# Allegro board PCIe3_0_X16_V1_0-166-20240802_20240828_pcb.brd (continued)
## Routing (per net, layer and track width the routed paths; a pad name or vN(x,y) marks a point on that pad's centre or on a via; arc(x,y) is an arc through that point) (continued)
  ART12 w0.086: v1(69.15,86.87) 67.73,85.45 67.73,85.33 67.92,85.14 67.92,85.01 67.8,84.89 67.68,84.89 67.48,85.09 67.36,85.09 66.97,84.7 66.91,84.55 66.91,76.54 v1(69.15,74.3) 67.73,72.88 67.73,72.76 67.92,72.56 67.92,72.44 67.8,72.32 67.68,72.32 67.48,72.52 67.36,72.52 66.97,72.12 66.91,71.97 66.91,63.97 v1(69.15,61.73) 67.73,60.31 67.73,60.19 67.92,59.99 67.92,59.87 67.8,59.75 67.68,59.75 67.48,59.94 67.36,59.94 66.97,59.55 66.91,59.4 66.91,51.4 v1(69.15,49.16) 67.73,47.74 67.73,47.61 67.83,47.51 67.83,47.38 67.71,47.26 67.59,47.26 67.48,47.37 67.36,47.37 67.01,47.02 66.47,45.72 66.47,39.25 v1(69.15,36.58)
FPGA_DDR4_1_A10: length 120.8
  TOP w0.201: U7.M3 70.84,38.28 68.06,38.28 67.55,37.77 R89.1
  TOP w0.229: U6.M3 v1(72.35,53.16) ; U5.M3 v1(72.35,90.87) ; U8.M3 v1(72.35,65.73) ; U1.L27 v1(99.32,71.23) ; U7.M3 v1(72.35,40.58) ; U4.M3 v1(72.35,78.3)
  ART03 w0.155: v1(99.32,71.23) 99.81,71.72 99.81,74.47 99.55,74.73 99.17,74.73 98.79,75.11 98.79,77.39 98.46,77.73 98.2,77.73 97.78,78.16 97.78,81.52 97.93,81.67 98.15,81.67 98.31,81.83 98.31,82.14 98.15,82.29 97.93,82.29 97.78,82.45 97.78,82.65 91.6,88.82 90.59,88.82 90.43,88.98 90.43,89.15 90.28,89.31 89.97,89.31 89.81,89.15 89.81,88.98 89.66,88.82 89.3,88.82 89.14,88.98 89.14,90.22 88.99,90.37 88.68,90.37 88.52,90.22 88.52,88.98 88.37,88.82 88.06,88.82 87.9,88.98 87.9,90.22 87.75,90.37 87.44,90.37 87.28,90.22 87.28,88.98 87.13,88.82 86.82,88.82 86.66,88.98 86.66,90.22 86.51,90.37 86.2,90.37 85.92,90.09 85.48,90.09 85.32,90.25 85.32,90.29 85.17,90.45 84.86,90.45 84.7,90.29 84.7,90.25 84.55,90.09 83.2,90.09 82.87,90.42 72.8,90.42 v1(72.35,90.87)
  ART10 w0.086: v1(72.35,90.87) 72.35,89.49 69.57,86.72 69.57,82.96 71.33,81.2 71.33,81.08 71.28,81.04 71.28,80.92 71.4,80.79 71.53,80.79 71.57,80.84 71.69,80.84 71.95,80.58 71.95,79.07 72.05,78.83 72.35,78.53 v1(72.35,78.3) 72.35,77.25 69.57,74.47 69.57,70.38 71.33,68.63 71.33,68.51 71.28,68.47 71.28,68.34 71.4,68.22 71.53,68.22 71.57,68.26 71.69,68.26 71.95,68.01 71.95,66.5 72.05,66.26 72.35,65.96 v1(72.35,65.73) 72.35,64.67 69.57,61.9 69.57,57.81 71.33,56.06 71.33,55.94 71.28,55.89 71.28,55.77 71.4,55.65 71.53,55.65 71.57,55.69 71.69,55.69 71.95,55.44 71.95,53.93 72.05,53.68 72.35,53.39 v1(72.35,53.16) 72.35,52.1 69.57,49.33 69.57,45.24 71.33,43.48 71.33,43.36 71.28,43.32 71.28,43.2 71.4,43.08 71.53,43.08 71.57,43.12 71.69,43.12 71.95,42.86 71.95,41.36 72.05,41.11 72.35,40.81 v1(72.35,40.58)
FPGA_DDR4_1_A11: length 117.8
  TOP w0.201: R90.1 67.42,42.85 68.06,42.21 68.06,40.87 v1(68.35,40.58)
  TOP w0.229: U1.G32 v1(95.32,76.23) ; U5.T2 69.36,91.47 68.94,91.47 v1(68.35,90.87) ; U8.T2 69.36,66.32 68.94,66.32 v1(68.35,65.73) ; U4.T2 69.36,78.89 68.94,78.89 v1(68.35,78.3) ; v1(68.35,53.16) 68.94,53.75 69.36,53.75 U6.T2 ; U7.T2 69.34,40.98 69.25,41.07 68.84,41.07 v1(68.35,40.58)
  ART05 w0.137: 70.22,86.52 70.35,86.39 70.35,85.01
  ART05 w0.155: v1(68.35,90.87) 68.77,90.45 69.02,90.45 69.17,90.29 69.17,89.94 69.02,89.79 68.39,89.79 68.24,89.63 68.24,89.26 68.39,89.1 70.49,89.1 70.65,88.95 70.65,88.66 70.47,88.48 68.42,88.48 68.24,88.3 68.24,88.01 68.39,87.86 70.42,87.86 70.57,87.7 70.57,87.4 70.22,87.05 70.22,86.52 ; 70.35,85.01 70.55,84.81 82.08,84.81 82.46,84.43 85.91,84.43 87.16,83.19 89.62,83.19 90.03,82.78 90.59,82.78 90.79,82.58 90.79,82.07 91.12,81.74 94.7,81.74 94.85,81.58 94.85,76.89 95.32,76.42 v1(95.32,76.23)
  ART10 w0.086: v1(68.35,90.87) 68.52,90.7 68.52,90.58 68.19,90.26 68.19,90.13 68.34,89.99 68.34,89.87 68.22,89.75 68.09,89.75 67.95,89.89 67.83,89.89 67.27,89.33 67.27,89.21 67.34,89.14 67.34,89.02 67.22,88.9 67.1,88.9 67.03,88.97 66.91,88.97 66.78,88.84 66.78,79.5 67.82,78.46 68.19,78.46 v1(68.35,78.3) 68.07,78.03 68.07,77.9 68.38,77.59 68.38,77.47 68.26,77.35 68.14,77.35 67.83,77.66 67.7,77.66 66.78,76.73 66.78,66.93 67.82,65.89 68.19,65.89 v1(68.35,65.73) 68.07,65.45 68.07,65.33 68.38,65.02 68.38,64.9 68.26,64.78 68.14,64.78 67.83,65.09 67.7,65.09 66.78,64.16 66.78,54.36 67.82,53.31 68.19,53.31 v1(68.35,53.16) 67.84,52.65 67.84,52.53 67.98,52.39 67.98,52.27 67.86,52.15 67.74,52.15 67.6,52.29 67.48,52.29 67.35,52.16 67.35,52.04 67.5,51.89 67.5,51.77 67.38,51.65 67.26,51.65 67.11,51.8 66.99,51.8 66.78,51.59 66.78,41.88 68.08,40.58 v1(68.35,40.58)
FPGA_DDR4_1_A12: length 121.9
  TOP w0.201: v1(73.9,33.53) 74.41,33.02 74.41,32.44 74.05,32.07 R91.1
  TOP w0.229: U1.L30 v1(99.32,74.23) ; U5.M7 v1(72.35,86.87) ; U6.M7 v1(72.35,49.16) ; U7.M7 v1(72.35,36.58) ; U4.M7 v1(72.35,74.3) ; U8.M7 v1(72.35,61.73)
  ART05 w0.137: v1(73.9,33.53) 73.55,33.88 73.55,35.95 73.31,36.18 72.75,36.18 v1(72.35,36.58)
  ART05 w0.155: v1(99.32,74.23) 99.81,74.72 99.81,76.5 100.06,76.76 100.45,76.76 100.82,77.13 100.82,82.62 99.8,85.09 99.59,85.18 99.45,85.12 99.25,85.2 99.13,85.49 99.21,85.69 99.36,85.75 99.44,85.95 99.29,86.32 99.09,86.4 98.89,86.32 98.68,86.41 98.56,86.69 98.65,86.89 98.85,86.98 98.93,87.18 98.77,87.58 97.55,88.8 96.28,88.8 95.62,89.46 95.62,89.87 95.21,90.27 94.47,90.27 93.99,89.79 93.55,89.79 93.4,89.94 93.4,90.22 93.24,90.37 92.93,90.37 92.78,90.22 92.78,89.94 92.62,89.79 92.31,89.79 92.16,89.94 92.16,90.29 92,90.45 91.69,90.45 91.54,90.29 91.54,89.94 91.38,89.79 91.07,89.79 90.92,89.94 90.92,90.29 90.76,90.45 90.45,90.45 90.3,90.29 90.3,89.94 90.14,89.79 89.83,89.79 89.68,89.94 89.68,90.29 89.53,90.45 89.22,90.45 89.06,90.29 89.06,89.94 88.91,89.79 88.61,89.79 88.12,90.27 87.48,90.27 87.33,90.43 87.33,90.8 87.17,90.96 86.74,90.96 86.59,90.8 86.59,90.43 86.43,90.27 86.13,90.27 85.97,90.43 85.97,90.8 85.82,90.96 82.89,90.96 82.28,90.35 74.15,90.35 72.35,88.54 v1(72.35,86.87)
  ART12 w0.086: v1(72.35,86.87) 72.35,86.66 72.75,86.26 72.75,85.94 72.99,85.7 73.31,85.7 73.55,85.46 73.55,82.71 73.23,82.4 73.23,82.28 73.36,82.14 73.36,82.02 73.24,81.9 73.12,81.9 72.99,82.03 72.86,82.03 72.74,81.91 72.74,81.79 72.87,81.65 72.87,81.53 72.75,81.41 72.63,81.41 72.5,81.54 72.38,81.54 71.95,81.11 71.95,76.01 72.35,75.61 v1(72.35,74.3) 72.35,74.09 72.75,73.69 72.75,73.37 72.99,73.13 73.31,73.13 73.55,72.89 73.55,70.14 73.23,69.82 73.23,69.7 73.36,69.57 73.36,69.45 73.24,69.33 73.12,69.33 72.99,69.46 72.86,69.46 72.74,69.34 72.74,69.21 72.87,69.08 72.87,68.96 72.75,68.84 72.63,68.84 72.5,68.97 72.38,68.97 71.95,68.54 71.95,63.44 72.35,63.04 v1(72.35,61.73) 72.35,61.51 72.75,61.11 72.75,60.8 72.99,60.56 73.31,60.56 73.55,60.31 73.55,57.57 73.23,57.25 73.23,57.13 73.36,57 73.36,56.88 73.24,56.75 73.12,56.75 72.99,56.89 72.86,56.89 72.74,56.76 72.74,56.64 72.87,56.51 72.87,56.39 72.75,56.26 72.63,56.26 72.5,56.4 72.38,56.4 71.95,55.97 71.95,50.87 72.35,50.47 v1(72.35,49.16) 72.35,48.94 72.75,48.54 72.75,48.23 72.99,47.98 73.31,47.98 73.55,47.74 73.55,44.99 73.23,44.68 73.23,44.56 73.36,44.42 73.36,44.3 73.24,44.18 73.12,44.18 72.99,44.31 72.86,44.31 72.74,44.19 72.74,44.07 72.87,43.94 72.87,43.81 72.75,43.69 72.63,43.69 72.5,43.82 72.38,43.82 71.95,43.39 71.95,38.29 72.35,37.89 v1(72.35,36.58)
FPGA_DDR4_1_A13: length 115.2
  TOP w0.201: R92.1 67.07,33.71 v1(69.15,35.78)
  TOP w0.229: U6.T8 v1(69.15,48.36) ; v1(69.15,35.78) U7.T8 ; U1.G30 v1(95.32,74.23) ; U5.T8 v1(69.15,86.07) ; U4.T8 v1(69.15,73.5) ; U8.T8 v1(69.15,60.93)
  ART05 w0.155: v1(95.32,74.23) 94.9,74.23 94.74,74.38 94.74,75.46 94.47,75.73 94.22,75.73 93.84,76.11 93.84,76.5 93.24,77.1 93.24,77.53 92.82,77.95 92.82,78.41 92.54,78.69 92.19,78.69 91.86,79.02 91.86,79.55 91.7,79.71 89.01,79.71 88.85,79.86 88.85,81.2 88.7,81.36 88.39,81.36 88.23,81.2 88.23,79.86 88.08,79.71 87.77,79.71 87.33,80.15 87.33,80.37 87.72,80.75 87.72,80.97 87.5,81.19 87.28,81.19 86.89,80.81 86.68,80.81 86.46,81.03 86.46,81.25 87,81.79 87,82.01 86.79,82.23 86.57,82.23 86.02,81.69 85.8,81.69 85.55,81.94 85.56,82.65 85.56,83.28 85.4,83.44 85.09,83.44 84.94,83.28 84.94,82.65 84.78,82.5 84.47,82.5 84.32,82.65 84.32,83.28 84.16,83.44 83.85,83.44 83.7,83.28 83.7,82.65 83.54,82.5 83.23,82.5 83.08,82.65 83.08,83.28 82.92,83.44 82.61,83.44 82.46,83.28 82.46,82.65 82.3,82.5 81.99,82.5 81.84,82.65 81.84,82.85 81.66,83.03 81.35,83.03 81.19,82.88 81.19,82.65 81.04,82.5 80.45,82.5 80.3,82.65 80.3,82.75 80.12,82.93 79.83,82.93 79.68,82.78 79.68,82.65 79.52,82.5 79.21,82.5 79.06,82.65 79.06,82.8 78.9,82.96 78.61,82.96 78.45,82.8 78.45,82.7 78.3,82.55 77.99,82.55 77.83,82.7 77.83,82.8 77.68,82.96 68.95,82.96 68.69,83.21 68.69,85.62 v1(69.15,86.07)
  ART12 w0.086: v1(69.15,35.78) 69.15,35.92 69.52,36.29 69.52,36.91 67.29,39.14 67.29,46.2 67.65,46.56 67.77,46.56 67.9,46.43 68.05,46.43 68.15,46.53 68.15,46.68 68.01,46.81 68.01,46.93 68.3,47.22 68.3,47.78 68.74,48.22 69.01,48.22 v1(69.15,48.36) 69.15,48.49 69.52,48.87 69.52,49.48 67.27,51.73 67.27,58.76 67.65,59.14 67.77,59.14 67.9,59 68.02,59 68.15,59.13 68.15,59.25 68.01,59.38 68.01,59.5 68.3,59.79 68.3,60.35 68.74,60.79 69.01,60.79 v1(69.15,60.93) 69.15,61.07 69.52,61.44 69.52,62.05 67.27,64.31 67.27,71.33 67.65,71.71 67.77,71.71 67.9,71.58 68.02,71.58 68.15,71.7 68.15,71.82 68.01,71.95 68.01,72.08 68.3,72.36 68.3,72.92 68.74,73.36 69.01,73.36 v1(69.15,73.5) 69.15,73.64 69.52,74.01 69.52,74.63 67.27,76.88 67.27,83.9 67.65,84.28 67.77,84.28 67.9,84.15 68.02,84.15 68.15,84.27 68.15,84.39 68.01,84.53 68.01,84.65 68.3,84.94 68.3,85.5 68.74,85.94 69.01,85.94 v1(69.15,86.07)
FPGA_DDR4_1_ACT_B: length 122.4
  TOP w0.201: U7.L3 71.21,37.85 68.64,37.85 67.55,36.75 R104.1
  TOP w0.229: U4.L3 v1(73.15,78.3) ; U8.L3 v1(73.15,65.73) ; U6.L3 v1(73.15,53.16) ; U5.L3 v1(73.15,90.87) ; U1.M27 v1(100.32,71.23) ; U7.L3 v1(73.15,40.58)
  ART03 w0.137: 82.28,92.07 74.58,92.07 74.35,91.84 74.35,91.81 74.35,91.81 74.35,91.51 74.11,91.28 74.05,91.28 74.05,91.27 73.55,91.27 v1(73.15,90.87)
  ART03 w0.155: v1(100.32,71.23) 100.32,71.55 100.82,72.05 100.82,73.48 101.33,73.99 101.33,74.6 100.82,75.11 100.82,75.51 100.54,75.79 100.06,75.79 99.81,76.05 99.81,82.55 100.21,82.96 100.21,84 100.01,84.2 99.79,84.2 99.39,83.8 99.17,83.8 98.95,84.02 98.95,84.24 99.47,84.76 99.47,84.97 99.27,85.17 99.05,85.17 98.48,84.6 98.26,84.6 98.04,84.82 98.04,85.04 98.36,85.36 98.36,85.58 98.14,85.8 97.92,85.8 97.6,85.48 97.38,85.48 92.8,90.07 92.42,90.07 92.26,90.22 92.26,90.57 92.11,90.73 91.8,90.73 91.64,90.57 91.64,90.22 91.49,90.07 91.07,90.07 88.4,92.74 83.78,92.74 83.12,92.07 82.28,92.07
  ART10 w0.086: v1(73.15,40.58) 73.15,40.78 72.75,41.17 72.75,41.62 72.94,41.81 73.3,41.81 73.52,42.03 73.52,42.79 72.4,43.91 72.3,43.91 71.17,45.03 71.17,49.53 73.15,51.51 v1(73.15,53.16) 73.15,53.35 72.75,53.75 72.75,54.19 72.94,54.38 73.3,54.38 73.52,54.6 73.52,55.36 72.4,56.48 72.3,56.48 71.17,57.61 71.17,61.95 73.15,63.92 v1(73.15,65.73) 73.15,65.92 72.75,66.32 72.75,66.76 72.94,66.95 73.3,66.95 73.52,67.17 73.52,67.94 72.4,69.05 72.3,69.05 71.17,70.18 71.17,74.52 73.15,76.5 v1(73.15,78.3) 73.15,78.49 72.75,78.89 72.75,79.33 72.94,79.53 73.3,79.53 73.52,79.75 73.52,80.51 72.4,81.62 72.3,81.62 71.17,82.75 71.17,87.1 73.15,89.07 v1(73.15,90.87)
FPGA_DDR4_1_ALERT_N: length 59.1
  TOP w0.229: U8.P9 v1(70.75,60.13) ; U5.P9 v1(70.75,85.27) ; U7.P9 v1(70.75,34.98) ; U4.P9 v1(70.75,72.7) ; U6.P9 v1(70.75,47.56)
  ART03 w0.086: v1(70.75,34.98) U7.P9 71.15,42.39 70.34,43.21 70.34,46.63 70.75,47.05 v1(70.75,47.56) U6.P9 71.15,54.97 70.34,55.78 70.34,59.21 70.75,59.62 v1(70.75,60.13) U8.P9 71.15,67.54 70.34,68.35 70.34,71.78 70.75,72.19 v1(70.75,72.7) U4.P9 71.15,80.11 70.34,80.92 70.34,84.86 v1(70.75,85.27)
  BOTTOM w0.127: R81.2 68.71,36.01 68.88,36.18 70.11,36.18 70.35,35.95 70.35,35.38 v1(70.75,34.98)
FPGA_DDR4_1_BA0: length 125.5
  TOP w0.201: v1(69.84,33.53) 70.34,33.02 70.34,32.44 69.98,32.07 R98.1
  TOP w0.229: U6.N2 v1(71.55,53.96) ; U1.N31 v1(101.32,75.23) ; U8.N2 v1(71.55,66.53) ; U4.N2 v1(71.55,79.1) ; U7.N2 v1(71.55,41.38) ; U5.N2 v1(71.55,91.67)
  ART05 w0.137: v1(71.55,41.38) 71.15,40.98 71.15,40.12 70.35,39.32 70.35,34.04 v1(69.84,33.53) ; 72.76,92.73 72.75,92.72 72.75,92.31 72.51,92.08 71.94,92.08 71.55,91.68 v1(71.55,91.67)
  ART05 w0.155: v1(101.32,75.23) 101.58,75.23 102.08,75.73 102.65,75.73 102.8,75.88 102.8,85.8 96.89,91.72 94.7,91.72 93.84,92.58 87.23,92.58 87.07,92.74 87.07,93.11 86.92,93.27 86.61,93.27 86.45,93.11 86.45,92.74 86.3,92.58 85.99,92.58 85.83,92.74 85.83,93.11 85.68,93.27 85.37,93.27 85.21,93.11 85.21,92.74 85.06,92.58 84.75,92.58 84.6,92.74 84.6,93.11 84.44,93.27 84.13,93.27 83.98,93.11 83.98,92.74 83.82,92.58 82.74,92.58 82.38,92.94 81.72,92.94 81.56,93.09 81.56,93.19 81.41,93.34 81.1,93.34 80.94,93.19 80.94,93.09 80.79,92.94 80.48,92.94 80.32,93.09 80.32,93.19 80.17,93.34 79.86,93.34 79.7,93.19 79.7,93.09 79.55,92.94 79.24,92.94 79.08,93.09 79.08,93.19 78.93,93.34 78.62,93.34 78.46,93.19 78.46,93.09 78.31,92.94 72.97,92.94 72.76,92.73
  ART10 w0.086: v1(71.55,91.67) 71.73,91.49 71.92,91.03 71.92,89.88 69.34,87.3 69.04,87.3 68.73,87 68.73,84 69.42,82.35 70.72,81.05 71.15,80.02 71.15,79.73 71.55,79.33 v1(71.55,79.1) 71.73,78.92 71.92,78.46 71.92,77.3 69.32,74.7 69.01,74.7 68.73,74.42 68.73,71.43 69.42,69.77 70.72,68.47 71.15,67.45 71.15,67.16 71.55,66.76 v1(71.55,66.53) 71.73,66.35 71.92,65.88 71.92,64.73 69.32,62.13 69.01,62.13 68.73,61.85 68.73,58.86 69.42,57.2 70.72,55.9 71.15,54.87 71.15,54.59 71.55,54.19 v1(71.55,53.96) 71.73,53.77 71.92,53.31 71.92,52.16 69.32,49.56 69.01,49.56 68.73,49.28 68.73,46.29 69.42,44.63 70.72,43.33 71.15,42.3 71.15,42.01 71.55,41.61 v1(71.55,41.38)
FPGA_DDR4_1_BA1: length 118.5
  TOP w0.229: U5.N8 v1(71.55,86.07) ; U1.M31 v1(100.32,75.23) ; U7.N8 v1(71.55,35.78) ; U4.N8 v1(71.55,73.5) ; U6.N8 v1(71.55,48.36) ; U8.N8 v1(71.55,60.93)
  ART03 w0.137: v1(71.55,35.78) 71.95,35.38 71.95,34.67 71.36,34.09 71.36,33.27 v1(71.87,32.77)
  ART05 w0.137: 82.32,91.27 73.77,91.27 73.55,91.05 73.55,90.5 71.95,88.9 71.95,86.48 v1(71.55,86.07)
  ART05 w0.155: 82.32,91.27 82.56,91.52 87.34,91.52 87.89,90.96 88.29,90.96 88.45,91.11 88.45,91.41 88.6,91.57 88.91,91.57 89.06,91.41 89.06,91.11 89.22,90.96 89.53,90.96 89.68,91.11 89.68,91.41 89.84,91.57 90.15,91.57 90.3,91.41 90.3,91.11 90.46,90.96 93.61,90.96 93.83,90.74 96.39,90.74 96.65,90.49 96.65,90.27 96.2,89.83 96.2,89.61 96.42,89.39 96.64,89.39 97.08,89.83 97.3,89.83 100.13,87 101.36,84.02 101.36,76.91 101.21,76.76 101.08,76.76 100.82,76.5 100.82,76 100.32,75.49 v1(100.32,75.23)
  ART12 w0.086: v1(71.55,86.07) 71.55,85.82 71.15,85.42 71.15,83.62 70.79,83.26 70.79,83.13 70.89,83.03 70.89,82.91 70.77,82.78 70.65,82.78 70.54,82.89 70.42,82.89 70.3,82.77 70.3,82.64 70.4,82.54 70.4,82.42 70.28,82.29 70.16,82.29 70.05,82.4 69.93,82.4 69.55,82.02 69.55,76.76 71.12,75.19 71.12,74.17 71.55,73.74 v1(71.55,73.5) 71.55,73.25 71.15,72.85 71.15,71.04 70.79,70.68 70.79,70.56 70.89,70.45 70.89,70.33 70.77,70.21 70.65,70.21 70.54,70.32 70.42,70.32 70.3,70.19 70.3,70.07 70.4,69.97 70.4,69.84 70.28,69.72 70.16,69.72 70.05,69.83 69.93,69.83 69.55,69.44 69.55,64.19 71.12,62.61 71.12,61.6 71.55,61.17 v1(71.55,60.93) 71.55,60.67 71.15,60.27 71.15,58.47 70.79,58.11 70.79,57.99 70.89,57.88 70.89,57.76 70.77,57.64 70.65,57.64 70.54,57.74 70.42,57.74 70.3,57.62 70.3,57.5 70.4,57.39 70.4,57.27 70.28,57.15 70.16,57.15 70.05,57.25 69.93,57.25 69.55,56.87 69.55,51.61 71.12,50.04 71.12,49.02 71.55,48.6 v1(71.55,48.36) 71.55,48.1 71.15,47.7 71.15,45.9 70.79,45.54 70.79,45.41 70.89,45.31 70.89,45.19 70.77,45.06 70.65,45.06 70.54,45.17 70.42,45.17 70.3,45.05 70.3,44.93 70.4,44.82 70.4,44.7 70.28,44.57 70.16,44.57 70.05,44.68 69.93,44.68 69.55,44.3 69.55,39.04 71.12,37.47 71.12,36.45 71.55,36.03 v1(71.55,35.78)
  BOTTOM w0.201: R100.1 v1(71.87,32.77)
FPGA_DDR4_1_BG0: length 124.4
  TOP w0.229: U5.M2 v1(72.35,91.67) ; U1.N27 v1(101.32,71.23) ; U6.M2 v1(72.35,53.96) ; U7.M2 v1(72.35,41.38) ; U4.M2 v1(72.35,79.1) ; U8.M2 v1(72.35,66.53)
  ART03 w0.137: v1(72.35,91.67) 72.72,92.23 72.75,92.33 72.75,92.73 ; v1(72.35,41.38) U7.M2 72.75,34.66 72.43,34.34 72.43,33.22 v1(72.88,32.77)
  ART03 w0.155: v1(101.32,71.23) 101.62,71.68 101.97,72.52 102.14,72.69 102.5,72.69 102.8,73 102.8,73.36 103.19,73.74 103.46,73.74 103.74,74.02 103.74,75.64 102.68,76.71 102.19,76.71 101.85,77.05 101.85,84.28 101.21,85.82 97.07,89.96 95.94,90.43 95.76,90.61 95.49,91.26 93.02,93.73 91.8,94.23 75.18,94.23 73.6,93.58 72.75,92.73
  ART10 w0.086: v1(72.35,41.38) 72.35,41.55 72.72,41.92 72.72,42.68 70.06,45.34 70.06,46.81 70.37,47.13 70.37,49.31 70.46,49.4 70.46,49.43 72.75,51.71 72.75,53.37 72.35,53.77 v1(72.35,53.96) 72.35,54.12 72.72,54.5 72.72,55.25 70.06,57.91 70.06,59.39 70.37,59.7 70.37,61.88 70.46,61.97 70.46,62 72.75,64.29 72.75,65.94 72.35,66.34 v1(72.35,66.53) 72.35,66.7 72.72,67.07 72.72,67.82 70.06,70.48 70.06,71.96 70.37,72.28 70.37,74.46 70.46,74.55 70.46,74.57 72.75,76.86 72.75,78.51 72.35,78.91 v1(72.35,79.1) 72.35,79.27 72.72,79.64 72.72,80.39 70.06,83.06 70.06,84.53 70.37,84.85 70.37,87.03 72.75,89.41 72.75,91.08 72.35,91.49 v1(72.35,91.67)
  BOTTOM w0.201: R101.1 v1(72.88,32.77)
FPGA_DDR4_1_CAS_N: length 113.6
  TOP w0.201: R95.1 73.03,32.07 73.39,32.44 73.39,33.02 v1(72.88,33.53)
  TOP w0.229: U4.M8 v1(72.35,73.5) ; U6.M8 v1(72.35,48.36) ; U8.M8 v1(72.35,60.93) ; U5.M8 v1(72.35,86.07) ; U7.M8 v1(72.35,35.78) ; U1.K30 v1(98.32,74.23)
  ART05 w0.137: 72.75,87.17 U5.M8 v1(72.35,86.07) ; v1(72.35,35.78) 72.75,35.38 72.75,33.66 v1(72.88,33.53)
  ART05 w0.155: 72.75,87.17 72.75,88.18 74.53,89.97 82.56,89.97 83.07,90.47 85.28,90.47 85.48,90.27 85.48,89.24 85.59,89.13 86.06,89.13 86.22,89.28 86.22,89.51 86.47,89.76 87.95,89.76 88.4,89.31 94.35,89.31 96.11,87.54 96.44,87.41 96.84,87.58 97.13,87.46 97.3,87.05 97.76,86.86 98.05,86.56 98.05,85.67 99.81,83.92 99.81,77.01 99.3,76.5 99.3,75.87 98.79,75.36 98.79,74.85 98.32,74.38 v1(98.32,74.23)
  ART12 w0.086: v1(72.35,86.07) 72.35,85.9 72.75,85.5 72.75,83.03 72.35,82.63 72.35,82.51 72.51,82.35 72.51,82.21 72.4,82.1 72.27,82.1 72.1,82.27 71.98,82.27 71.86,82.14 71.86,82.02 72.02,81.86 72.02,81.74 71.89,81.62 71.77,81.62 71.61,81.78 71.47,81.78 71.15,81.46 71.15,76.18 71.92,75.4 71.92,74.13 72.35,73.71 v1(72.35,73.5) 72.35,73.33 72.75,72.93 72.75,70.46 72.35,70.06 72.35,69.94 72.51,69.78 72.51,69.63 72.4,69.52 72.27,69.52 72.1,69.69 71.98,69.69 71.86,69.57 71.86,69.45 72.02,69.29 72.02,69.17 71.89,69.05 71.77,69.05 71.61,69.2 71.47,69.2 71.15,68.88 71.15,63.6 71.92,62.83 71.92,61.56 72.35,61.13 v1(72.35,60.93) 72.35,60.75 72.75,60.35 72.75,57.88 72.35,57.49 72.35,57.36 72.51,57.21 72.51,57.06 72.4,56.95 72.27,56.95 72.1,57.12 71.98,57.12 71.86,57 71.86,56.88 72.02,56.72 72.02,56.6 71.89,56.47 71.77,56.47 71.61,56.63 71.47,56.63 71.15,56.31 71.15,51.03 71.92,50.26 71.92,48.99 72.35,48.56 v1(72.35,48.36) 72.35,48.18 72.75,47.78 72.75,45.31 72.35,44.91 72.35,44.79 72.51,44.63 72.51,44.49 72.4,44.38 72.27,44.38 72.1,44.55 71.98,44.55 71.86,44.42 71.86,44.3 72.02,44.14 72.02,44.02 71.89,43.9 71.77,43.9 71.61,44.06 71.47,44.06 71.15,43.74 71.15,38.46 71.92,37.68 71.92,36.41 72.35,35.99 v1(72.35,35.78)
FPGA_DDR4_1_CK_C: length 119.8
  TOP w0.173: U4.K8 v1(73.95,73.5) ; U5.K8 v1(73.95,86.07) ; U8.K8 v1(73.95,60.93) ; U1.P30 v1(102.32,73.23) ; U7.K8 v1(73.95,35.78) ; U6.K8 v1(73.95,48.36)
  ART05 w0.102: 96.66,83.69 96.66,83.66 96.72,83.6 96.72,73.92 97.01,73.63 102.57,73.63 102.72,73.47 102.72,73.25 102.59,73.13 102.42,73.13 v1(102.32,73.23)
  ART05 w0.14: 96.66,83.69 96.66,84.08 95.8,84.93 95.6,84.93 95.12,84.45 94.47,84.45 93.97,84.95 93.97,86.43 93.83,86.57 93.51,86.57 93.37,86.43 93.37,85.09 92.91,84.64 92.25,84.64 91.88,85.01 91.88,86.43 91.74,86.57 91.18,86.57 91.04,86.43 91.04,85.09 90.51,84.56 90,84.56 89.55,85.01 89.55,86.43 89.41,86.57 88.85,86.57 88.71,86.43 88.71,85.03 88.26,84.58 87.68,84.58 87.21,85.05 87.21,86.43 87.07,86.57 81.36,86.57 79.79,88.14 76.13,88.14 75.34,87.35 74.61,87.35 74.35,87.08 U5.K8 v1(73.95,86.07)
  ART10 w0.104: v1(73.95,35.78) 74.23,36.21 74.35,36.49 74.35,37.31 75.88,38.84 75.88,44.61 75.3,45.2 74.87,45.2 74.67,44.99 74.56,44.99 74.23,45.33 74.23,45.44 74.43,45.64 74.43,46.06 74.21,46.28 74.21,47.21 74.35,47.34 74.35,47.83 73.95,48.23 v1(73.95,48.36) 74.23,48.78 74.35,49.06 74.35,50.19 75.88,51.72 75.88,57.19 75.3,57.77 74.87,57.77 74.67,57.57 74.56,57.57 74.23,57.9 74.23,58.01 74.43,58.21 74.43,58.64 74.21,58.86 74.21,59.78 74.35,59.92 74.35,60.4 73.95,60.8 v1(73.95,60.93) 74.23,61.36 74.35,61.63 74.35,63.02 75.88,64.55 75.88,69.76 75.3,70.34 74.87,70.34 74.67,70.14 74.56,70.14 74.23,70.47 74.23,70.58 74.43,70.78 74.43,71.21 74.21,71.43 74.21,72.35 74.35,72.49 74.35,72.98 73.95,73.38 v1(73.95,73.5) 74.23,73.93 74.35,74.21 74.35,75.31 75.88,76.84 75.88,82.33 75.3,82.92 74.87,82.92 74.67,82.71 74.56,82.71 74.23,83.04 74.23,83.16 74.43,83.36 74.43,83.78 74.21,84 74.21,84.93 74.35,85.06 74.35,85.55 73.95,85.95 v1(73.95,86.07)
  BOTTOM w0.127: v1(73.95,35.78) U7.K8 74.35,36.77
  BOTTOM w0.173: R110.2 74.23,37.14 74.23,36.89 74.35,36.77
FPGA_DDR4_1_CK_T: length 119.8
  TOP w0.173: U1.P29 v1(103.32,73.23) ; U5.K7 v1(73.95,86.87) ; U8.K7 v1(73.95,61.73) ; U7.K7 v1(73.95,36.58) ; U4.K7 v1(73.95,74.3) ; U6.K7 v1(73.95,49.16)
  ART05 w0.102: 96.98,83.69 96.98,83.66 96.92,83.6 96.92,74.01 97.1,73.83 102.65,73.83 102.92,73.56 102.92,73.33 103.02,73.23 v1(103.32,73.23)
  ART05 w0.14: 96.98,83.69 96.98,84.21 95.94,85.26 95.47,85.26 94.99,84.78 94.61,84.78 94.3,85.09 94.3,86.56 93.96,86.89 93.37,86.89 93.04,86.56 93.04,85.23 92.78,84.96 92.39,84.96 92.2,85.15 92.2,86.56 91.87,86.89 91.04,86.89 90.71,86.56 90.71,85.23 90.37,84.89 90.14,84.89 89.87,85.15 89.87,86.56 89.54,86.89 88.71,86.89 88.38,86.56 88.38,85.17 88.12,84.91 87.82,84.91 87.54,85.19 87.54,86.56 87.21,86.89 81.5,86.89 79.93,88.47 76,88.47 75.32,87.79 75.21,87.67 74.48,87.67 74.02,87.22 74.02,86.95 v1(73.95,86.87)
  ART10 w0.104: v1(73.95,86.87) 73.55,86.47 73.55,85.06 73.87,84.73 73.87,83.86 74.09,83.64 74.09,83.5 73.89,83.29 73.89,82.91 74.42,82.38 74.81,82.38 75.01,82.58 75.16,82.58 75.54,82.19 75.54,76.98 74.01,75.45 74.01,74.37 v1(73.95,74.3) 73.55,73.9 73.55,72.49 73.87,72.16 73.87,71.29 74.09,71.07 74.09,70.92 73.89,70.72 73.89,70.33 74.42,69.81 74.81,69.81 75.01,70.01 75.16,70.01 75.54,69.62 75.54,64.69 74.01,63.15 74.01,61.79 v1(73.95,61.73) 73.55,61.33 73.55,59.92 73.87,59.59 73.87,58.72 74.09,58.5 74.09,58.35 73.89,58.15 73.89,57.76 74.42,57.23 74.81,57.23 75.01,57.43 75.16,57.43 75.54,57.05 75.54,51.86 74.01,50.33 74.01,49.22 v1(73.95,49.16) 73.55,48.76 73.55,47.34 73.87,47.01 73.87,46.14 74.09,45.92 74.09,45.78 73.89,45.58 73.89,45.19 74.42,44.66 74.81,44.66 75.01,44.86 75.16,44.86 75.54,44.48 75.54,38.98 74.01,37.45 74.01,36.65 v1(73.95,36.58)
  BOTTOM w0.102: v1(73.95,36.58) 73.95,36.37 73.82,36.25 73.67,36.25 73.54,36.37 73.54,36.8
  BOTTOM w0.173: 73.54,36.8 73.83,37.09 73.83,37.3 R109.2
FPGA_DDR4_1_CKE: length 127.6
  TOP w0.229: U7.K2 v1(73.95,41.38) ; U1.N29 v1(101.32,73.23) ; U4.K2 v1(73.95,79.1) ; U6.K2 v1(73.95,53.96) ; U8.K2 v1(73.95,66.53) ; U5.K2 v1(73.95,91.67)
  ART03 w0.137: v1(73.95,91.67) 73.95,91.91 74.35,92.31 74.35,92.32 74.35,92.76 ; v1(73.95,41.38) U7.K2 74.35,39.94 75.5,38.79 75.5,33.2 v1(75.93,32.77)
  ART03 w0.155: v1(101.32,73.23) 101.32,73.4 101.84,73.91 101.84,75.36 100.8,76.4 100.8,83.97 100.78,84.02 100.24,85.32 99.91,85.65 98.99,85.65 97.7,86.94 96.72,86.94 96.43,87.24 96.43,87.46 96.52,87.55 96.52,87.77 96.3,87.99 96.08,87.99 95.99,87.9 95.77,87.9 95.05,88.61 95.05,88.83 95.2,88.97 95.2,89.19 94.98,89.41 94.76,89.41 94.62,89.27 94.4,89.27 94.11,89.55 94.11,89.77 94.18,89.84 94.18,90.06 93.96,90.28 93.74,90.28 93.67,90.21 93.46,90.21 93.24,90.43 93.24,90.65 93.37,90.78 93.37,91 93.04,91.33 92.82,91.33 92.64,91.15 92.43,91.15 92.21,91.37 92.21,91.59 92.64,92.02 92.64,92.24 92.21,92.66 91.88,92.66 91.72,92.5 91.72,91.64 91.25,91.16 90.66,91.16 90.47,91.36 90.47,91.6 91,92.13 91,92.35 90.84,92.51 90.62,92.51 90.47,92.35 90.47,92.33 90.31,92.18 90,92.18 89.85,92.33 89.85,93.09 89.69,93.24 83.6,93.24 83.07,92.71 82.46,92.71 81.82,93.34 81.54,93.34 81.39,93.19 81.39,93.07 81.23,92.91 80.92,92.91 80.77,93.07 80.77,93.19 80.61,93.34 80.3,93.34 80.15,93.19 80.15,93.07 79.99,92.91 79.68,92.91 79.53,93.07 79.53,93.19 79.37,93.34 79.06,93.34 78.91,93.19 78.91,93.07 78.75,92.91 78.44,92.91 78.29,93.07 78.29,93.19 78.13,93.34 77.82,93.34 77.67,93.19 77.67,93.07 77.51,92.91 77.2,92.91 77.05,93.07 77.05,93.19 76.89,93.34 76.58,93.34 76.43,93.19 76.43,93.07 76.27,92.91 75.97,92.91 75.81,93.07 75.81,93.19 75.66,93.34 75.34,93.34 74.64,93.06 74.35,92.76
  ART12 w0.086: v1(73.95,91.67) 73.95,91.41 74.35,91.01 74.35,86.75 74.59,86.5 74.92,86.5 75.42,86 75.42,81.36 75.21,81.15 75.09,81.15 75.01,81.23 74.89,81.23 74.77,81.1 74.77,80.98 74.84,80.91 74.84,80.78 74.72,80.66 74.6,80.66 74.45,80.81 74.33,80.81 74.21,80.68 74.21,80.56 74.35,80.42 74.35,80.3 74.35,80.29 74.35,79.79 74.3,79.69 73.95,79.33 v1(73.95,79.1) 73.95,78.84 74.35,78.44 74.35,74.17 74.59,73.93 74.92,73.93 75.42,73.43 75.42,68.78 75.21,68.58 75.09,68.58 74.93,68.73 74.81,68.73 74.69,68.61 74.69,68.49 74.84,68.33 74.84,68.21 74.72,68.09 74.6,68.09 74.45,68.23 74.33,68.23 74.21,68.11 74.21,67.99 74.35,67.84 74.35,67.72 74.35,67.71 74.35,67.21 74.3,67.11 73.95,66.76 v1(73.95,66.53) 73.95,66.26 74.35,65.86 74.35,61.54 74.53,61.36 74.92,61.36 75.42,60.86 75.42,56.21 75.21,56 75.09,56 74.93,56.16 74.81,56.16 74.69,56.04 74.69,55.92 74.84,55.76 74.84,55.64 74.72,55.52 74.6,55.52 74.45,55.66 74.33,55.66 74.21,55.54 74.21,55.42 74.35,55.27 74.35,55.15 74.35,55.14 74.35,54.64 74.3,54.54 73.95,54.18 v1(73.95,53.96) 73.95,53.69 74.35,53.29 74.35,49.03 74.59,48.78 74.92,48.78 75.42,48.29 75.42,43.64 75.21,43.43 75.09,43.43 74.93,43.59 74.81,43.59 74.69,43.47 74.69,43.34 74.84,43.19 74.84,43.06 74.72,42.94 74.6,42.94 74.45,43.09 74.33,43.09 74.21,42.96 74.21,42.84 74.35,42.7 74.35,42.58 74.35,42.57 74.35,42.07 74.3,41.97 73.95,41.61 v1(73.95,41.38)
  BOTTOM w0.201: R102.1 v1(75.93,32.77)
